# KiCad board 128CR.kicad_pcb (continued)
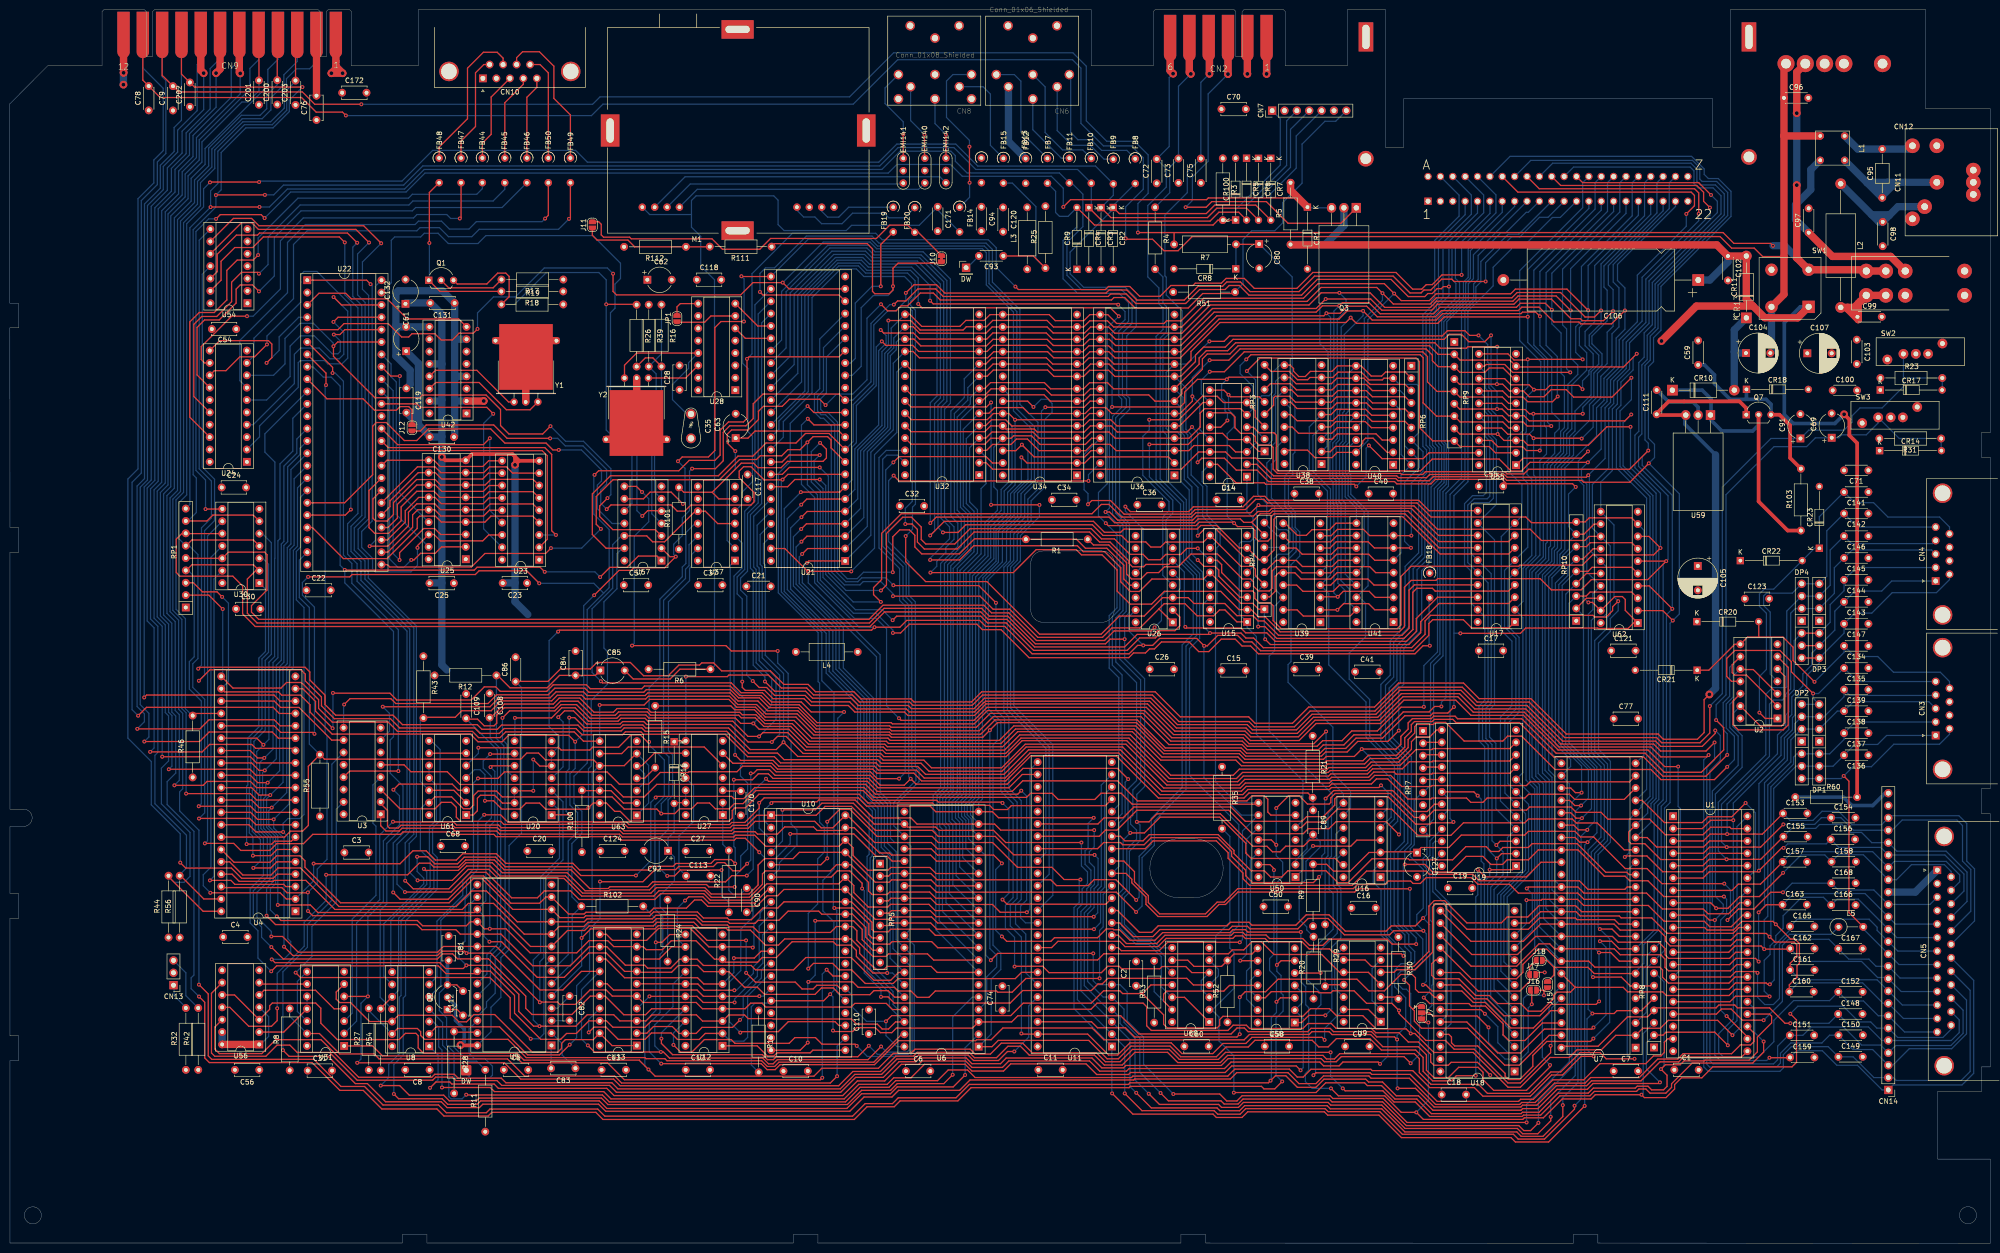
[diagram p0: board, top side]
## Routing (per net, layer and track width the routed paths; a pad name or vN(x,y) marks a point on that pad's centre or on a via; arc(x,y) is an arc through that point) (continued)
POTY: length 374.3
  Top w0.25: U2.10 355.39,117.85 357.93,117.85 U2.3 ; v1(352.58,97.87) 349.95,95.24 338.98,95.24 336.9,97.32 317.23,97.32 310.38,104.17 307.5,104.17 306.5,103.17 298.58,103.17 294.75,106.99 292.68,106.99 292.25,106.57 288.85,106.57 288.43,106.14 288.43,104.82 287.08,103.47 287.08,101.82 284.83,99.57 279.25,99.57 278.15,98.47 270.58,98.47 270.2,98.09 252.85,98.09 251.7,99.24 236.3,99.24 230.45,105.09 206.93,105.09 203.83,101.99 180.15,101.99 179.63,102.52 163.98,102.52 160.33,106.17 154.8,106.17 153.03,107.94 150.18,107.94 149.65,108.47 131.55,108.47 130.88,109.14 124.98,109.14 124.3,108.47 119.55,108.47 116.68,111.34 113.08,111.34 111.73,109.99 101.5,109.99 99.98,108.47 99.98,106.84 99.43,106.29 97.4,106.29 96.03,107.67 93.75,107.67
  Bottom w0.25: U2.10 355.23,117.97 353.8,116.54 353.8,112.22 352.38,110.79 352.38,105.82 354.05,104.14 354.05,99.34 v1(352.58,97.87) ; 93.75,107.67 100.1,101.32 100.1,61.39 97.95,59.24 97.95,55.31 U5.23
R~{W}: length 760.6
  Top w0.25: U1.22 356.72,42.4 v1(352.45,46.67) ; v1(288.73,61.44) 283.8,61.44 282.78,62.47 270.83,62.47 269.55,61.19 266.83,61.19 265.43,62.59 258.63,62.59 257.9,63.32 253.68,63.32 253.15,63.84 251.33,63.84 250.75,63.27 237.15,63.27 235.45,61.57 229.25,61.57 227.54,63.28 U11.10 ; v1(119.98,133.12) 125.08,138.22 127.58,138.22 128.13,138.77 134.45,138.77 v1(136.73,141.04) 135.53,141.04 U57.2 ; RP1.3 37.69,135.68 39.55,133.82 42.56,133.82 v1(43.6,132.78) ; v1(116.08,103.02) 114.75,104.34 102.4,104.34 101.08,103.02 96.13,103.02 94.55,104.59 66.18,104.59 61.65,109.12 61.65,110.62 59.68,112.59 55.83,112.59 55.15,113.27 44.06,113.27 U4.22 ; U21.14 170.25,174.44 154.63,174.44 152.63,172.44 152.63,169.42 151.13,167.92 147.8,167.92 146.48,166.59 146.48,160.74 144.85,159.12 v1(140.08,159.12) ; v1(286.38,77.82) 290.5,77.82 292.05,76.27 295.78,76.27 298.98,79.47 302.43,79.47 304.08,77.82 306.45,77.82 307.4,78.77 311.75,78.77 313.79,80.81 321.94,80.81 327.35,75.39 331.63,75.39 332.55,74.47 336.3,74.47 339.55,71.22 v1(351.9,71.22) ; v1(295.45,196.52) 294.33,196.52 293.9,196.09 293.03,196.09 292.03,195.09 291.13,195.09 290.5,194.47 287.1,194.47 283.58,197.99 268.43,197.99 265.2,194.77 254.4,194.77 252.43,196.74 250.33,196.74 249.5,195.92 244.28,195.92 241.4,193.04 231.18,193.04 229.23,194.99 226,194.99 225.5,194.49 191.63,194.49 190.08,196.04 186.43,196.04 183.95,193.57 182.25,193.57 v1(181.5,192.82)
  Bottom w0.25: v1(181.5,192.82) 180.68,192.82 176.8,188.94 176.8,176.94 173.05,173.19 U21.14 ; v1(288.73,61.44) 288.73,62.72 286.08,65.37 286.08,77.52 v1(286.38,77.82) 286.38,80.67 287.73,82.02 287.73,99.99 283.88,103.84 283.88,113.52 285.45,115.09 285.45,122.32 288.9,125.77 288.9,138.34 291.13,140.57 291.13,155.69 292.7,157.27 292.7,163.34 292.08,163.97 292.08,190.17 293.35,191.44 293.35,192.52 295.45,194.62 v1(295.45,196.52) 295.45,205.77 301.32,211.63 CN1.5 ; v1(136.73,141.04) 136.3,141.47 136.3,143.59 138.08,145.37 138.08,149.04 139.55,150.52 139.55,158.59 v1(140.08,159.12) ; U5.7 114.65,59.31 114.65,82.62 116.58,84.54 116.58,88.44 115,90.02 115,96.47 116.08,97.54 v1(116.08,103.02) 117.83,104.77 117.83,130.97 v1(119.98,133.12) ; v1(43.6,132.78) 44.9,131.48 44.9,115.4 U4.22 ; v1(351.9,71.22) 352.45,70.67 352.45,67.62 351.23,66.39 351.23,47.89 v1(352.45,46.67)
TA8: length 534.2
  Top w0.25: v1(166.28,161.92) 159.98,161.92 158.55,160.49 U21.40 ; U18.25 295.43,42.91 295.97,42.37 295.97,41.19 296.62,40.54 301.34,40.54 306.98,34.9 306.98,34.32 307.66,33.64 309.97,33.64 312.67,36.34 312.67,38.59 315.54,41.46 324.52,41.46 v1(325.1,42.04) ; v1(330.2,131.89) 329.05,130.74 329.05,129.97 327.73,128.64 325.35,128.64 325,128.99 291.7,128.99 290.55,127.84 290.55,125.09 287.8,122.34 257.33,122.34 255.35,124.32 253.78,124.32 252.75,125.34 v1(246.4,125.34) 246.13,125.07 235.9,125.07 235.18,124.34 231.95,124.34 229.4,121.79 210.18,121.79 204.53,127.44 200.7,127.44 199.33,128.82 182.08,128.82 v1(181.25,127.99) ; v1(349.25,215.34) 346.73,217.87 322.9,217.87 321.64,219.13 ; U7.10 330.44,63.03 328.93,64.54 v1(326.43,64.54)
  Bottom w0.25: v1(349.25,215.34) 350.55,214.04 350.55,211.72 336.53,197.69 336.53,188.97 332.53,184.97 332.53,179.57 330.03,177.07 330.03,172.39 329,171.37 329,158.74 326.61,156.35 U62.11 329.33,147.56 329.33,132.77 v1(330.2,131.89) 330.2,129.94 328.58,128.32 328.58,125.69 326.15,123.27 326.15,101.44 328.6,98.99 328.6,82.39 326.08,79.87 326.08,64.89 v1(326.43,64.54) 328.45,62.52 328.45,45.39 v1(325.1,42.04) ; v1(166.28,161.92) 165.13,160.77 165.13,156.84 166.95,155.02 166.95,136.79 173.6,130.14 179.1,130.14 v1(181.25,127.99) ; v1(246.4,125.34) 244.88,126.87 244.88,131.17 U15.14 ; U19.23 292.69,78.74 292.69,72.76 295.87,69.58 295.87,45.1 U18.25
TA9: length 562.8
  Top w0.25: v1(178.85,134.09) 179.98,135.22 179.98,145.79 183.33,149.14 185.1,149.14 187.13,147.12 187.13,144.57 188.05,143.64 194,143.64 197.15,146.79 222.03,146.79 224.13,144.69 226.78,144.69 229.95,141.52 232.65,141.52 233.75,140.42 236.23,140.42 237.3,141.49 240.4,141.49 241.65,142.74 v1(243.88,142.74) ; v1(325.13,44.32) 324.8,43.99 315.03,43.99 310.13,39.09 305.48,39.09 299.12,45.45 U18.24 ; v1(326.45,62.04) 328.83,62.04 330.38,60.49 U7.9 ; U62.8 336.5,145.2 v1(338.88,142.82) 337.46,141.4 324.94,141.4 322.84,139.3 310.03,139.3 309.8,139.07 287.69,139.07 285.6,136.98 285.6,127.03 284.82,126.25 261.01,126.25 259.36,127.9 259.36,130.97 258.78,131.55 256.51,131.55 255.59,132.47 255.59,133.56 255.16,133.99 252.58,133.99 248.79,137.78 248.79,139.41 247.88,140.32 U15.11 ; U21.41 158.61,157.95 160.03,159.37 v1(166.28,159.37)
  Bottom w0.25: U19.22 292.61,82.57 292.17,82.14 292.17,79.5 291.49,78.82 291.49,77.7 292.14,77.05 292.14,72.22 295.12,69.24 295.12,46.89 U18.24 ; v1(325.13,44.32) 327.68,46.87 327.68,60.82 v1(326.45,62.04) ; v1(178.85,134.09) 171.68,134.09 168.05,137.72 168.05,157.59 v1(166.28,159.37) ; U7.9 337.58,64.29 337.58,90.19 338.53,91.14 338.53,142.47 v1(338.88,142.82) 338.88,154.07 333.63,159.32 333.63,165.99 334.43,166.79 334.43,180.92 335.53,182.02 335.53,187.02 337.2,188.69 337.2,197.34 351.3,211.44 351.3,215.17 349.68,216.79 346.63,216.79 345.75,217.67 345.75,220.29 344.98,221.07 321.03,221.07 319.1,219.13 ; U15.11 246.3,140.32 v1(243.88,142.74)
TA10: length 489.4
  Top w0.25: v1(349.03,212.74) 347.73,214.04 347.73,215.89 346.33,217.29 318.4,217.29 316.56,219.13 ; v1(326.28,49.69) 325.65,49.07 316.43,49.07 314.1,46.74 306.7,46.74 303.23,50.22 300.63,50.22 297.77,53.07 U18.21 ; U62.13 324.18,145.2 323.35,144.37 314.43,144.37 312.13,146.67 293.08,146.67 288.28,151.47 256.53,151.47 v1(256.35,151.64) 254.78,150.07 243.48,150.07 242.58,149.17 228.25,149.17 225.65,151.77 224.08,151.77 222.18,149.87 183.03,149.87 178.98,145.82 178.98,136.34 177.33,134.69 177.33,133.24 v1(178.83,131.74) ; U21.42 159.69,155.41 161.18,156.89 v1(166.28,156.89) ; v1(326.25,59.72) 328.65,59.72 330.42,57.95 U7.8
  Bottom w0.25: v1(166.28,156.89) 167.5,155.67 167.5,137.39 173.15,131.74 v1(178.83,131.74) ; v1(256.35,151.64) 255.95,151.24 255.95,144.78 255.5,144.33 255.5,139.25 U15.5 ; v1(349.03,212.74) 349.03,211.19 335.88,198.04 335.88,189.14 331.85,185.12 331.85,179.69 329.28,177.12 329.28,172.49 328.25,171.47 328.25,159.22 324.9,155.87 324.9,146.9 U62.13 328.58,143.23 328.58,129.17 327.93,128.52 327.93,126.37 325.38,123.82 325.38,101.07 328,98.44 328,82.72 325.35,80.07 325.35,60.62 v1(326.25,59.72) 326.25,49.72 v1(326.28,49.69)
TA11: length 540.9
  Top w0.25: U7.7 325.27,55.41 324,56.68 317,56.68 ; 317,56.68 315.57,58.11 J18.2 ; 317,56.68 317,55.09 J15.2 ; v1(189,137.77) 206,137.77 210.73,142.49 218.93,142.49 220,141.42 224.23,141.42 227.33,138.32 227.33,133.97 230,131.29 234.4,131.29 237.03,133.92 248.6,133.92 252.36,130.16 U15.2 254.86,130.16 256.37,128.65 257.75,128.65 260.79,125.61 285.27,125.61 286.31,126.65 286.31,134.77 287.71,136.17 292.78,136.17 293.14,136.53 314.17,136.53 316.47,134.23 322.59,134.23 324.69,136.33 336.26,136.33 v1(340.05,140.12) U62.6
  Bottom w0.25: U21.31 158.45,185.54 158.45,195.52 167.93,204.99 176.33,204.99 177.65,203.67 187.5,203.67 193.1,198.07 193.1,172.54 191.9,171.34 191.9,149.12 193.85,147.17 193.85,144.62 192.18,142.94 192.18,141.94 190.3,140.07 190.3,139.07 v1(189,137.77) ; 314.02,219.13 316.75,221.87 345.13,221.87 346.35,220.64 346.35,218.12 347.08,217.39 350.15,217.39 351.98,215.57 351.98,211.24 337.78,197.04 337.78,188.14 336.15,186.52 336.15,181.52 335.05,180.42 335.05,166.24 334.38,165.57 334.38,159.59 340.43,153.54 340.43,140.49 v1(340.05,140.12) 339.43,139.49 339.43,91.07 338.3,89.94 338.3,64.19 335.45,61.34 335.45,57.49 333.78,55.82 U7.7
TA12: length 356.6
  Top w0.25: v1(325.03,54.67) 330.85,54.67 332.65,52.87 U7.6 337.5,52.87 RP8.6 ; U32.2 200.46,160.33 201.8,158.99 240.5,158.99 244.06,162.55 U14.14 249.6,162.55 250.85,161.29 255.8,161.29 259.45,157.64 284.73,157.64 285.1,157.27 290.83,157.27 291.48,157.92 306.85,157.92 307.4,157.37 323.65,157.37 v1(324.05,157.77) ; 311.48,219.13 313.99,216.62 345.88,216.62 346.73,215.77 v1(346.73,211.47)
  Bottom w0.25: v1(325.03,54.67) 324.68,55.02 324.68,80.34 327.35,83.02 327.35,98.19 324.68,100.87 324.68,127.94 325.43,128.69 327.18,128.69 327.9,129.42 327.9,138.82 U62.15 324.28,142.45 324.28,157.54 v1(324.05,157.77) 327.5,161.22 327.5,171.62 328.63,172.74 328.63,177.29 331.15,179.82 331.15,185.47 335.1,189.42 335.1,198.42 346.73,210.04 v1(346.73,211.47)
TA13: length 339.6
  Top w0.25: U14.11 246.78,170.59 250.65,170.59 251.53,169.72 251.53,167.52 252.68,166.37 255,166.37 255.7,165.67 255.7,164.72 256.45,163.97 258.88,163.97 259.35,163.49 259.35,159.03 260.24,158.14 285.53,158.14 285.75,157.92 290.05,157.92 290.63,158.49 306.91,158.49 307.36,158.04 310.85,158.04 311.8,158.99 332.53,158.99 v1(336.38,162.84) ; U62.4 336.58,135.04 v1(341.3,130.32)
  Bottom w0.25: 308.94,219.13 312.25,222.44 345.45,222.44 346.95,220.94 346.95,218.59 347.43,218.12 350.4,218.12 352.68,215.84 352.68,211.12 338.38,196.82 338.38,187.94 336.78,186.34 336.78,181.42 335.7,180.34 335.7,165.02 336.38,164.34 v1(336.38,162.84) 335.13,161.59 335.13,159.82 341.3,153.64 v1(341.3,130.32) 340.1,129.12 340.1,90.84 339.03,89.77 339.03,62.01 RP8.9 336.08,59.06 336.08,57.14 335.33,56.39 335.33,51.88 U7.5
TA14: length 595.2
  Top w0.25: RP8.5 334.96,47.79 U7.4 329.95,47.79 329.35,47.19 v1(324.9,47.19) ; U14.5 255.29,167.63 256.43,166.49 259.53,166.49 260.03,165.99 260.03,158.99 260.35,158.67 289.6,158.67 292.03,161.09 305.75,161.09 308.23,158.62 310.3,158.62 312.1,160.42 v1(323.98,160.42) ; 306.4,219.13 309.61,215.92 345.18,215.92 345.85,215.24 345.85,213.12 v1(344.18,211.44) ; v1(93.7,30.52) 93.76,30.46 121.66,30.46 123.07,29.05 171.58,29.05 174.57,32.04 180.5,32.04 181.87,33.41 190.47,33.41 192.66,35.6 196.62,35.6 198.17,34.05 230.28,34.05 230.57,34.34 250.05,34.34 251.48,35.77 262.68,35.77 264.31,34.14 265.52,34.14 267.12,35.74 279.42,35.74 279.69,35.47 288.01,35.47 291.5,31.98 300.66,31.98 302.43,30.21 312.16,30.21 316.52,34.57 318.77,34.57 322.6,38.39 v1(325.18,38.39)
  Bottom w0.25: v1(93.7,30.52) 92.85,29.67 90.59,29.67 90.13,30.13 90.13,39.4 88.86,40.67 88.86,45.35 U8.4 ; v1(344.18,211.44) 344.18,208.92 334.13,198.87 334.13,189.29 330.4,185.57 330.4,179.92 327.9,177.42 327.9,172.89 326.7,171.69 326.7,163.14 v1(323.98,160.42) 322.65,159.09 322.65,157.04 323.75,155.94 323.75,137.89 U62.17 325,133.43 325,130.17 324.08,129.24 324.08,100.49 326.65,97.92 326.65,83.42 324.03,80.79 324.03,48.07 v1(324.9,47.19) 323.8,46.09 323.8,39.77 v1(325.18,38.39)
TA15: length 334.4
  Top w0.25: U14.2 256.01,160.01 258.93,157.09 284.53,157.09 284.98,156.64 291.43,156.64 292.25,157.47 306.55,157.47 307.3,156.72 322.68,156.72 323.08,156.32 332.58,156.32 v1(336.48,160.22) ; U62.2 339.36,129.96 v1(341.4,127.92)
  Bottom w0.25: 303.86,219.13 307.99,223.27 345.26,223.27 347.85,220.68 347.85,219.57 348.7,218.72 350.73,218.72 353.35,216.09 353.35,210.94 338.98,196.57 338.98,187.54 337.45,186.02 337.45,181.09 336.4,180.04 336.4,165.37 337.65,164.12 337.65,161.39 v1(336.48,160.22) 342.75,153.94 342.75,129.27 v1(341.4,127.92) 340.85,127.37 340.85,90.52 339.7,89.37 339.7,60.15 RP8.8 337.55,57.98 335.98,56.41 335.98,47.45 U7.3
TOD: length 395.7
  Top w0.25: v1(66.35,113.04) 66.4,112.99 78.05,112.99 79.45,111.59 94.73,111.59 97.43,114.29 99.78,114.29 100.7,113.37 110.23,113.37 111.58,114.72 118.38,114.72 119.18,113.92 129.75,113.92 130.3,114.47 147.9,114.47 149.85,112.52 154.23,112.52 156.13,110.62 162.05,110.62 165.73,106.94 180.95,106.94 181.2,106.69 197.98,106.69 200.7,109.42 232.98,109.42 238.55,103.84 253.18,103.84 254.4,102.62 267.7,102.62 v1(270.23,105.14) ; U1.19 340.37,42 339.67,41.3 339.67,39.2 338.95,38.48 337.43,38.48 335.84,36.89 326.43,36.89 323.12,33.58 316.78,33.58 312.78,29.58 310.17,29.58 309.73,29.14 293.04,29.14 287.49,34.69 279.6,34.69 279.27,35.02 268.19,35.02 268.16,35.05 v1(267.63,34.52) ; U4.19 60.16,113.91 62.78,111.29 62.78,109.29 v1(66.28,105.79)
  Bottom w0.25: v1(270.23,105.14) 270.23,95.92 273.78,92.36 273.78,90.43 271.33,87.98 271.33,79.5 270.86,79.03 270.86,72.65 271.67,71.84 271.67,64.51 266.1,58.94 266.1,54.42 269.16,51.36 269.16,49.01 268.06,47.91 268.06,34.95 v1(267.63,34.52) ; v1(66.35,113.04) 66.35,105.87 v1(66.28,105.79)
U1_CNT: length 664.7
  Top w0.25: v1(38.84,53.12) 40.75,51.21 40.75,38.5 41.47,37.78 62.43,37.78 68,32.21 72.83,32.21 76.63,28.41 88.02,28.41 89.61,26.82 97.83,26.82 98.58,27.57 120.7,27.57 122.16,26.11 173.02,26.11 175.6,28.69 181.21,28.69 182.41,29.89 194.25,29.89 196.99,32.63 229.66,32.63 229.99,32.96 258.38,32.96 v1(258.82,33.4) 259.83,34.41 261.96,34.41 264.34,32.03 268.12,32.03 269.8,33.71 278.37,33.71 278.95,33.13 281.81,33.13 284.64,30.3 289.19,30.3 292.16,27.33 310.24,27.33 310.57,27.66 313.7,27.66 317.66,31.62 323.84,31.62 325.04,32.82 338.52,32.82 v1(338.76,33.06) ; v1(260.04,49.6) 260.87,50.42 U58.3 ; U50.13 258.71,77.78 259.52,76.97 v1(259.52,76.67) ; CN9.4 54.92,244.59 C200.2 ; RP8.2 339.4,42.76 339.99,43.35 350.02,43.35 v1(352.7,40.67)
  Bottom w0.25: v1(338.76,33.06) 335.99,35.83 335.99,41.2 RP8.2 ; v1(38.84,53.12) 38.84,84.85 34.87,88.82 34.87,92.72 35.5,93.35 35.5,108.86 34.67,109.69 34.67,127.99 32.91,129.75 32.91,153.11 34.44,154.64 34.44,210.28 37.93,213.77 37.93,218.39 40.84,221.3 40.84,224.99 47.56,231.71 51.4,231.71 52.75,233.06 52.75,235.83 54.92,238 C200.2 ; v1(258.82,33.4) 258.99,33.57 258.99,46.35 260.04,47.4 v1(260.04,49.6) 260.04,54.63 258.63,56.04 258.63,58.49 259.52,59.38 v1(259.52,76.67) ; U1.40 354.58,85.58 354.58,45.74 352.7,43.86 v1(352.7,40.67)
U1_SP: length 624.6
  Top w0.25: v1(38.86,50.67) 40.02,49.51 40.02,38.07 40.97,37.12 62.05,37.12 67.77,31.4 72.57,31.4 76.38,27.59 87.69,27.59 89.14,26.14 98.2,26.14 98.96,26.9 120.31,26.9 121.78,25.43 173.38,25.43 176,28.05 181.58,28.05 182.78,29.25 194.64,29.25 197.35,31.96 229.77,31.96 230.04,32.23 256.96,32.23 257.47,31.72 259.7,31.72 v1(261.22,33.24) ; U1.39 353.4,85.18 353.11,85.47 349.18,85.47 347.63,83.92 339.85,83.92 336.65,87.12 328.08,87.12 326.68,88.52 321.58,88.52 320.48,89.62 312.03,89.62 311.38,88.97 292.4,88.97 290.9,87.46 RP7.8 288.36,87.46 283.43,92.39 272.1,92.39 271.2,91.49 271.2,90.57 270.85,90.22 266.41,90.22 264.73,91.9 262.51,91.9 v1(260,89.39) ; U58.6 261,58.04 v1(260.12,57.17) ; U50.11 258.98,82.86 v1(260,81.84) ; CN9.5 51.16,244.66 C201.2
  Bottom w0.25: v1(38.86,50.67) 37.24,52.29 37.24,54.53 37.81,55.1 37.81,84.62 32.31,90.12 32.31,94.82 34.07,96.58 34.07,108.32 33.26,109.13 33.26,127.38 31.58,129.06 31.58,153.93 33.05,155.4 33.05,211.02 36.61,214.58 36.61,219.26 39.45,222.1 39.45,226.23 47.66,234.44 48.85,234.44 51.17,236.76 51.17,238.87 C201.2 ; v1(261.22,33.24) 259.95,34.51 259.95,46.24 261.41,47.7 261.41,50.99 260.98,51.42 260.98,55 260.12,55.86 v1(260.12,57.17) 260.11,57.18 260.11,74.07 261.31,75.27 261.31,78.28 260,79.59 v1(260,81.84) v1(260,89.39)
U4_CNT: length 200.1
  Top w0.25: U4.40 39.7,68.19 32.45,75.44
  Top w1.5: CN9.6 47.13,240.49 v2(47.31,240.31)
  Bottom w0.25: v2(47.31,240.31) 47.3,240.3 47.3,236.09 38.33,227.12 38.33,223.02 35.4,220.09 35.4,215.34 31.93,211.87 31.93,156.17 30.28,154.52 30.28,128.67 31.93,127.02 31.93,109.02 32.6,108.34 32.6,99.07 31.13,97.59 31.13,90.27 37,84.39 37,75.37 35.78,74.14 33.75,74.14 32.45,75.44
U4_SP: length 189.7
  Top w0.25: 34.88,75.69 39.84,70.73 U4.39
  Top w1.5: CN9.7 43.17,241.19 v2(42.35,240.37)
  Bottom w0.25: 34.88,75.69 36.28,77.09 36.28,83.82 29.8,90.29 29.8,100.24 30.4,100.84 30.4,126.74 28.9,128.24 28.9,154.97 30.48,156.54 30.48,212.49 33.93,215.94 33.93,220.59 36.9,223.57 36.9,227.92 42.35,233.37 v2(42.35,240.37)
VA6: length 256
  Top w0.25: U17.17 288.35,135.24 287.25,134.14 287.25,126.32 285.83,124.89 260.45,124.89 257.5,127.84 256.28,127.84 255.2,128.92 251.93,128.92 249.43,131.42 243.13,131.42 241.92,132.62 U26.3 236.66,132.62 232.88,128.84 227.78,128.84 224.05,125.12 211.4,125.12 200.6,135.92 188.03,135.92 183.93,140.02 v1(183.93,145.27)
  Bottom w0.25: v1(183.93,145.27) 185.33,146.67 185.33,151.22 185.93,151.82 185.93,191.67 184.93,192.67 184.93,193.52 185.85,194.44 185.85,197.74 184.3,199.29 175.7,199.29 174.23,200.77 170.2,200.77 163.93,194.49 163.93,174.94 157.9,168.92 157.9,167.21 U21.38
VA7: length 254.4
  Top w0.25: U26.6 237.95,139.44 233.25,139.44 232.78,138.97 230.48,138.97 229.75,139.69 229.75,140.17 225.88,144.04 223.73,144.04 221.68,146.09 197.98,146.09 194.5,142.62 187.75,142.62 186.33,144.04 186.33,146.64 185.23,147.74 v1(183.85,147.74) ; v1(241.33,126.62) 241.55,126.39 252.73,126.39 253.73,125.39 258.05,125.39 259.8,123.64 286.73,123.64 288.75,125.67 288.75,128.34 293.11,132.7 U17.18
  Bottom w0.25: v1(183.85,147.74) 183.85,150.97 185.28,152.39 185.28,191.54 184.48,192.34 184.48,193.71 185.13,194.36 185.13,197.14 183.68,198.59 175.35,198.59 173.8,200.14 170.58,200.14 164.7,194.27 164.7,174.69 158.8,168.79 158.8,165.57 U21.39 ; U26.6 241.13,137.87 241.13,126.82 v1(241.33,126.62)
VA14: length 240.9
  Top w0.25: U26.2 240.2,128.63 240.2,126.84 239.2,125.84 235.63,125.84 234.85,125.07 231.43,125.07 228.85,122.49 210.38,122.49 204.7,128.17 200.85,128.17 199.33,129.69 179.6,129.69 176.6,126.69 50.4,126.69 47.8,129.29 47.8,135.02 45.8,137.02 34.95,137.02 34.18,137.79 34.18,144.64 35.59,146.06 36.45,146.06 36.73,145.78 U30.10
VA15: length 237.1
  Top w0.25: 36.45,140.98 36.73,140.7 U30.12 44.9,141.97 52.3,141.97 52.83,141.44 52.83,134.19 49.63,130.99 49.63,129.64 51.1,128.17 176.38,128.17 179.28,131.07 199.98,131.07 201.55,129.49 205.1,129.49 210.78,123.82 224.75,123.82 226.73,125.79 234.3,125.79 v1(235.03,126.52)
  Bottom w0.25: U26.5 240.33,136.13 240.33,134.49 239.73,133.89 237.3,133.89 236.43,133.02 236.43,127.92 v1(235.03,126.52)
VDC_R~{W}: length 213.5
  Top w0.25: v1(121.2,136.84) 123.2,138.84 126.73,138.84 129.05,141.17 132.86,141.17 U57.1 ; v1(68.78,138.32) 68.83,138.27 95.35,138.27 95.95,138.87 108.88,138.87 v1(109.83,137.92)
  Bottom w0.25: U22.8 62.24,180.05 64.38,177.92 65.98,177.92 67.83,176.07 67.83,139.27 v1(68.78,138.32) 68.78,135.67 78.78,125.67 78.78,104.04 78.1,103.37 78.1,96.57 80.73,93.94 80.73,85.44 77.4,82.12 77.4,69.72 76.05,68.37 76.05,50.54 U8.11 ; v1(109.83,137.92) 120.13,137.92 v1(121.2,136.84)
Z80_R~{W}: length 75.6
  Top w0.25: U13.1 123.65,40.6 U13.19 119.8,41.84 114.06,41.84 113.27,41.05 113.27,40.02 112.5,39.25 107.28,39.25 99.54,46.99 95.27,46.99 93.77,45.49 92.18,45.49 90.84,46.83 79.78,46.83 U8.12 73.87,45.55 69.98,49.44 67.73,49.44 67.03,50.14 67.03,51.62 68.65,53.24
~{AEC}: length 369.4
  Top w0.25: v1(132.6,91.57) 132.83,91.79 148.2,91.79 148.65,91.34 150.68,91.34 152.95,93.62 175.38,93.62 177.4,91.59 208.73,91.59 209.55,92.42 213.98,92.42 215.23,91.17 222.75,91.17 224.03,92.44 228.18,92.44 230.43,90.19 256.04,90.19 U50.8 ; v1(83.63,79.39) 85.8,79.39 87.25,77.94 91.93,77.94 93.3,79.32 99.73,79.32 101.7,77.34 115.45,77.34 117.25,75.54 v1(128.55,75.54) ; v1(276.43,155.47) 275.99,155.91 257.85,155.91 257.54,156.22 251.75,156.22 247.96,160.01 U14.15 ; U55.19 291.35,162.38 290.14,161.17 281.73,161.17 v1(279.01,163.89)
  Bottom w0.25: U50.8 251.86,90.48 247.5,94.84 247.53,94.87 247.53,129.03 U15.15 247.8,131.55 247.8,142.89 248.48,143.57 248.48,146.87 245.78,149.57 245.78,155.47 244.8,156.44 244.8,158.45 U14.15 ; v1(276.43,155.47) 278.45,157.49 278.45,163.33 v1(279.01,163.89) ; U8.9 76.8,54.87 76.8,65.64 84.98,73.82 84.98,75.02 83.63,76.37 v1(83.63,79.39) ; v1(132.6,91.57) 131.6,90.57 131.6,78.59 v1(128.55,75.54)
~{BUSACK}: length 147.9
  Top w0.25: v1(134.98,75.47) 136.48,75.47 137.68,76.67 v1(146.13,76.67) ; v1(149.98,43.27) 150.18,43.47 157.78,43.47 159.83,45.52 169.43,45.52 170.21,44.74 U10.23
  Bottom w0.25: U37.13 140,141.5 140,139.09 139.55,138.64 139.55,136.09 135.23,131.77 135.23,101.19 136.08,100.34 136.08,91.99 135.15,91.07 135.15,84.97 133.35,83.17 133.35,77.09 v1(134.98,75.47) ; v1(146.13,76.67) 146.13,71.49 147.63,69.99 151.88,69.99 152.58,69.29 152.58,67.02 150.08,64.52 150.08,56.02 147.75,53.69 147.75,45.49 v1(149.98,43.27)
~{BUSRQ}: length 187.6
  Top w0.25: U37.4 145.33,147.84 142.79,150.38 U37.10 140.71,150.38 134.43,144.09 131.98,144.09 130.76,145.31 126.18,145.31 ; RP5.7 177.04,62.73 176.35,63.42 176.35,65.59 173.08,68.87 v1(169.28,68.87) ; v1(121.35,115.44) 121.68,115.12 148.1,115.12 150.13,113.09 154.5,113.09 156.4,111.19 162.48,111.19 164.53,109.14 v1(171.28,109.14)
  Bottom w0.25: U10.25 169.78,51.58 169.78,68.39 169.08,69.09 169.08,75.67 169.98,76.57 169.98,107.84 v1(171.28,109.14) ; v1(121.35,115.44) 119.55,117.24 119.55,130.34 123.78,134.57 123.78,143.52 125.57,145.31 126.18,145.31
~{CAS0}: length 75.4
  Top w0.25: U9.9 278.23,58.19 279.55,56.87 288.25,56.87 291.33,59.94 291.33,69.27 292.45,70.39 294.55,70.39 299.13,65.82 306.2,65.82 307.4,67.02 311.63,67.02 313.95,69.34 321.45,69.34 322.69,68.11 U7.12
~{CAS1}: length 67.5
  Top w0.25: U7.11 330.35,65.57 329.45,66.47 321.75,66.47 321.4,66.82 314.08,66.82 311.75,64.49 299.15,64.49 294.93,68.72 294.93,69.17 294.43,69.67 292.7,69.67 292.08,69.04 292.08,59.77 288.5,56.19 284.73,56.19 284.19,55.65 281.45,55.65
~{CASENB}: length 75.6
  Top w0.25: U11.41 223.33,58.2 224.6,59.47 250.18,59.47 250.98,60.27 253.33,60.27 254.98,61.92 256.95,61.92 259.55,59.32 269.33,59.32 272.99,55.65 278.91,55.65 U9.4
~{CAS}: length 267.1
  Top w0.25: 273.83,48.03 278.91,48.03 U9.1 ; v1(269.93,41.77) 269.4,42.29 255,42.29 253.75,41.04 249.05,41.04 246.98,38.97 240.63,38.97 238.43,41.17 229.95,41.17 227.45,38.67 225.58,38.67 221.29,42.96 U11.47 207.81,42.96 v1(207.68,43.09) ; v1(202.45,131.57) 198.93,135.09 181.48,135.09 v1(181.4,135.17)
  Bottom w0.25: v1(207.68,43.09) 207.68,62.89 205.4,65.17 205.4,69.42 206.8,70.82 206.8,90.62 204.23,93.19 204.23,107.79 202.45,109.57 v1(202.45,131.57) ; 273.83,48.03 269.93,44.13 v1(269.93,41.77) ; U21.20 167.05,183.98 167.05,175.17 165.83,173.94 165.83,170.92 166.55,170.19 167.48,170.19 169.35,168.32 169.35,138.19 171.65,135.89 174.1,135.89 174.9,136.69 179.88,136.69 v1(181.4,135.17)
~{CHAREN}: length 63.3
  Top w0.25: RP5.4 180.38,70.35 180.91,70.87 U6.28 189.02,70.87 190.3,69.59 201.73,69.59 203.33,67.99 v1(208.8,67.99)
  Bottom w0.25: v1(208.8,67.99) 209.43,68.62 209.43,97.25 U11.25
~{CHAROM}: length 99
  Top w0.25: v1(252.5,50.54) 253.63,51.67 257.8,51.67 260.37,54.24 276.58,54.24 278.98,51.84 282.18,51.84 285.55,55.22 287.9,55.22 288.58,54.54 288.58,52.19 289.23,51.54 291.48,51.54 292.49,50.53 U18.22 ; U11.46 222.07,45.5 223.3,44.27 229.05,44.27 230.95,42.37 251.93,42.37 v1(252.5,42.94)
  Bottom w0.25: v1(252.5,42.94) v1(252.5,50.54)
~{CIA1}: length 390.4
  Top w0.25: v1(56.08,39.67) 57.35,38.39 65.35,38.39 70.95,32.79 73.43,32.79 77.15,29.07 88.58,29.07 89.78,27.87 96.43,27.87 97.13,28.57 120.88,28.57 122.33,27.12 172.45,27.12 175.38,30.04 181.1,30.04 182.48,31.42 195,31.42 197.13,33.54 230.73,33.54 230.93,33.74 250.58,33.74 251.88,35.04 262.4,35.04 264.65,32.79 268.13,32.79 269.7,34.37 279,34.37 279.48,33.89 287.33,33.89 292.7,28.52 309.98,28.52 310.38,28.92 313.15,28.92 317.13,32.89 323.38,32.89 324.53,34.04 334.53,34.04 338.33,37.84 342.43,37.84 343.53,38.94 353.48,38.94 355.28,40.74 357.38,40.74 358.1,41.47 358.1,43.15 U1.23
  Bottom w0.25: U3.11 66.13,98.41 66.13,70.49 61.1,65.47 61.1,60.79 56.08,55.77 v1(56.08,39.67)
~{CIA2}: length 28.4
  Top w0.25: 43.41,111.37 54.3,111.37 55.6,110.07 59.38,110.07 66.09,103.36 U3.10
~{COLORAM}: length 178
  Top w0.25: U19.18 300.56,92.73 v1(301.35,91.94) ; v1(303.93,34.54) 301.3,37.17 295.9,37.17 295.3,36.57 292.38,36.57 291.7,37.24 291.7,38.82 289.18,41.34 287.1,41.34 285.2,43.24 280.43,43.24 279.5,44.17 272.25,44.17 271.28,45.14 266.5,45.14 265.48,44.12 254.53,44.12 253.85,44.79 251.15,44.79 250.08,43.72 234.35,43.72 233.4,44.67 233.4,48.59 232.68,49.32 223.2,49.32 221.95,48.07 211.04,48.07 U11.45
  Bottom w0.25: U19.20 295.21,88.88 295.21,91.51 U19.18 ; v1(301.35,91.94) 302.08,91.22 302.08,78.49 302.63,77.94 302.63,75.44 302.03,74.84 302.03,48.82 301.75,48.54 301.75,36.72 v1(303.93,34.54)
~{DMA}: length 469.2
  Top w0.25: U61.2 91.16,93.05 U61.12 ; v1(324,162.67) 322.6,161.27 310.66,161.27 U55.1 ; v1(324.08,131.64) 324.92,131.64 U62.19 329.49,132.84 331.05,132.84 331.65,132.24 331.65,129.99 U62.1 333.35,127.42 332.23,126.29 326.07,126.29 325.99,126.37 311.2,126.37 310.13,125.29 v1(297.8,125.29) ; 84.98,108.04 91.45,108.04 92.8,109.39 98.83,109.39 100.85,111.42 111.25,111.42 112.4,112.57 117.43,112.57 118.18,111.82 130.55,111.82 131.1,112.37 147.75,112.37 149.45,110.67 153.3,110.67 155.23,108.74 161.65,108.74 165.4,104.99 180.58,104.99 181,104.57 199.33,104.57 202.28,107.52 231.45,107.52 237.23,101.74 252.83,101.74 253.9,100.67 269,100.67 269.98,101.64 274.25,101.64 276.38,103.77 281.8,103.77 286.4,108.37 291.65,108.37 292.2,108.92 295.23,108.92 v1(296.48,110.17)